# Altium PCB EDA-03518-V3-0_pcb.pcbdoc (part 1 of 14)
Units mm, origin at the board's own origin, x right, y up, seen from the top; angles counter-clockwise.
Board outline 220 x 230 mm, 8 copper layers (Top Layer, L2P, L3, L4P, L5P, L6, L7P, Bottom Layer), stack 2.18 mm thick; 1190 components, 1445 nets, 5955 pads, 2149 vias.
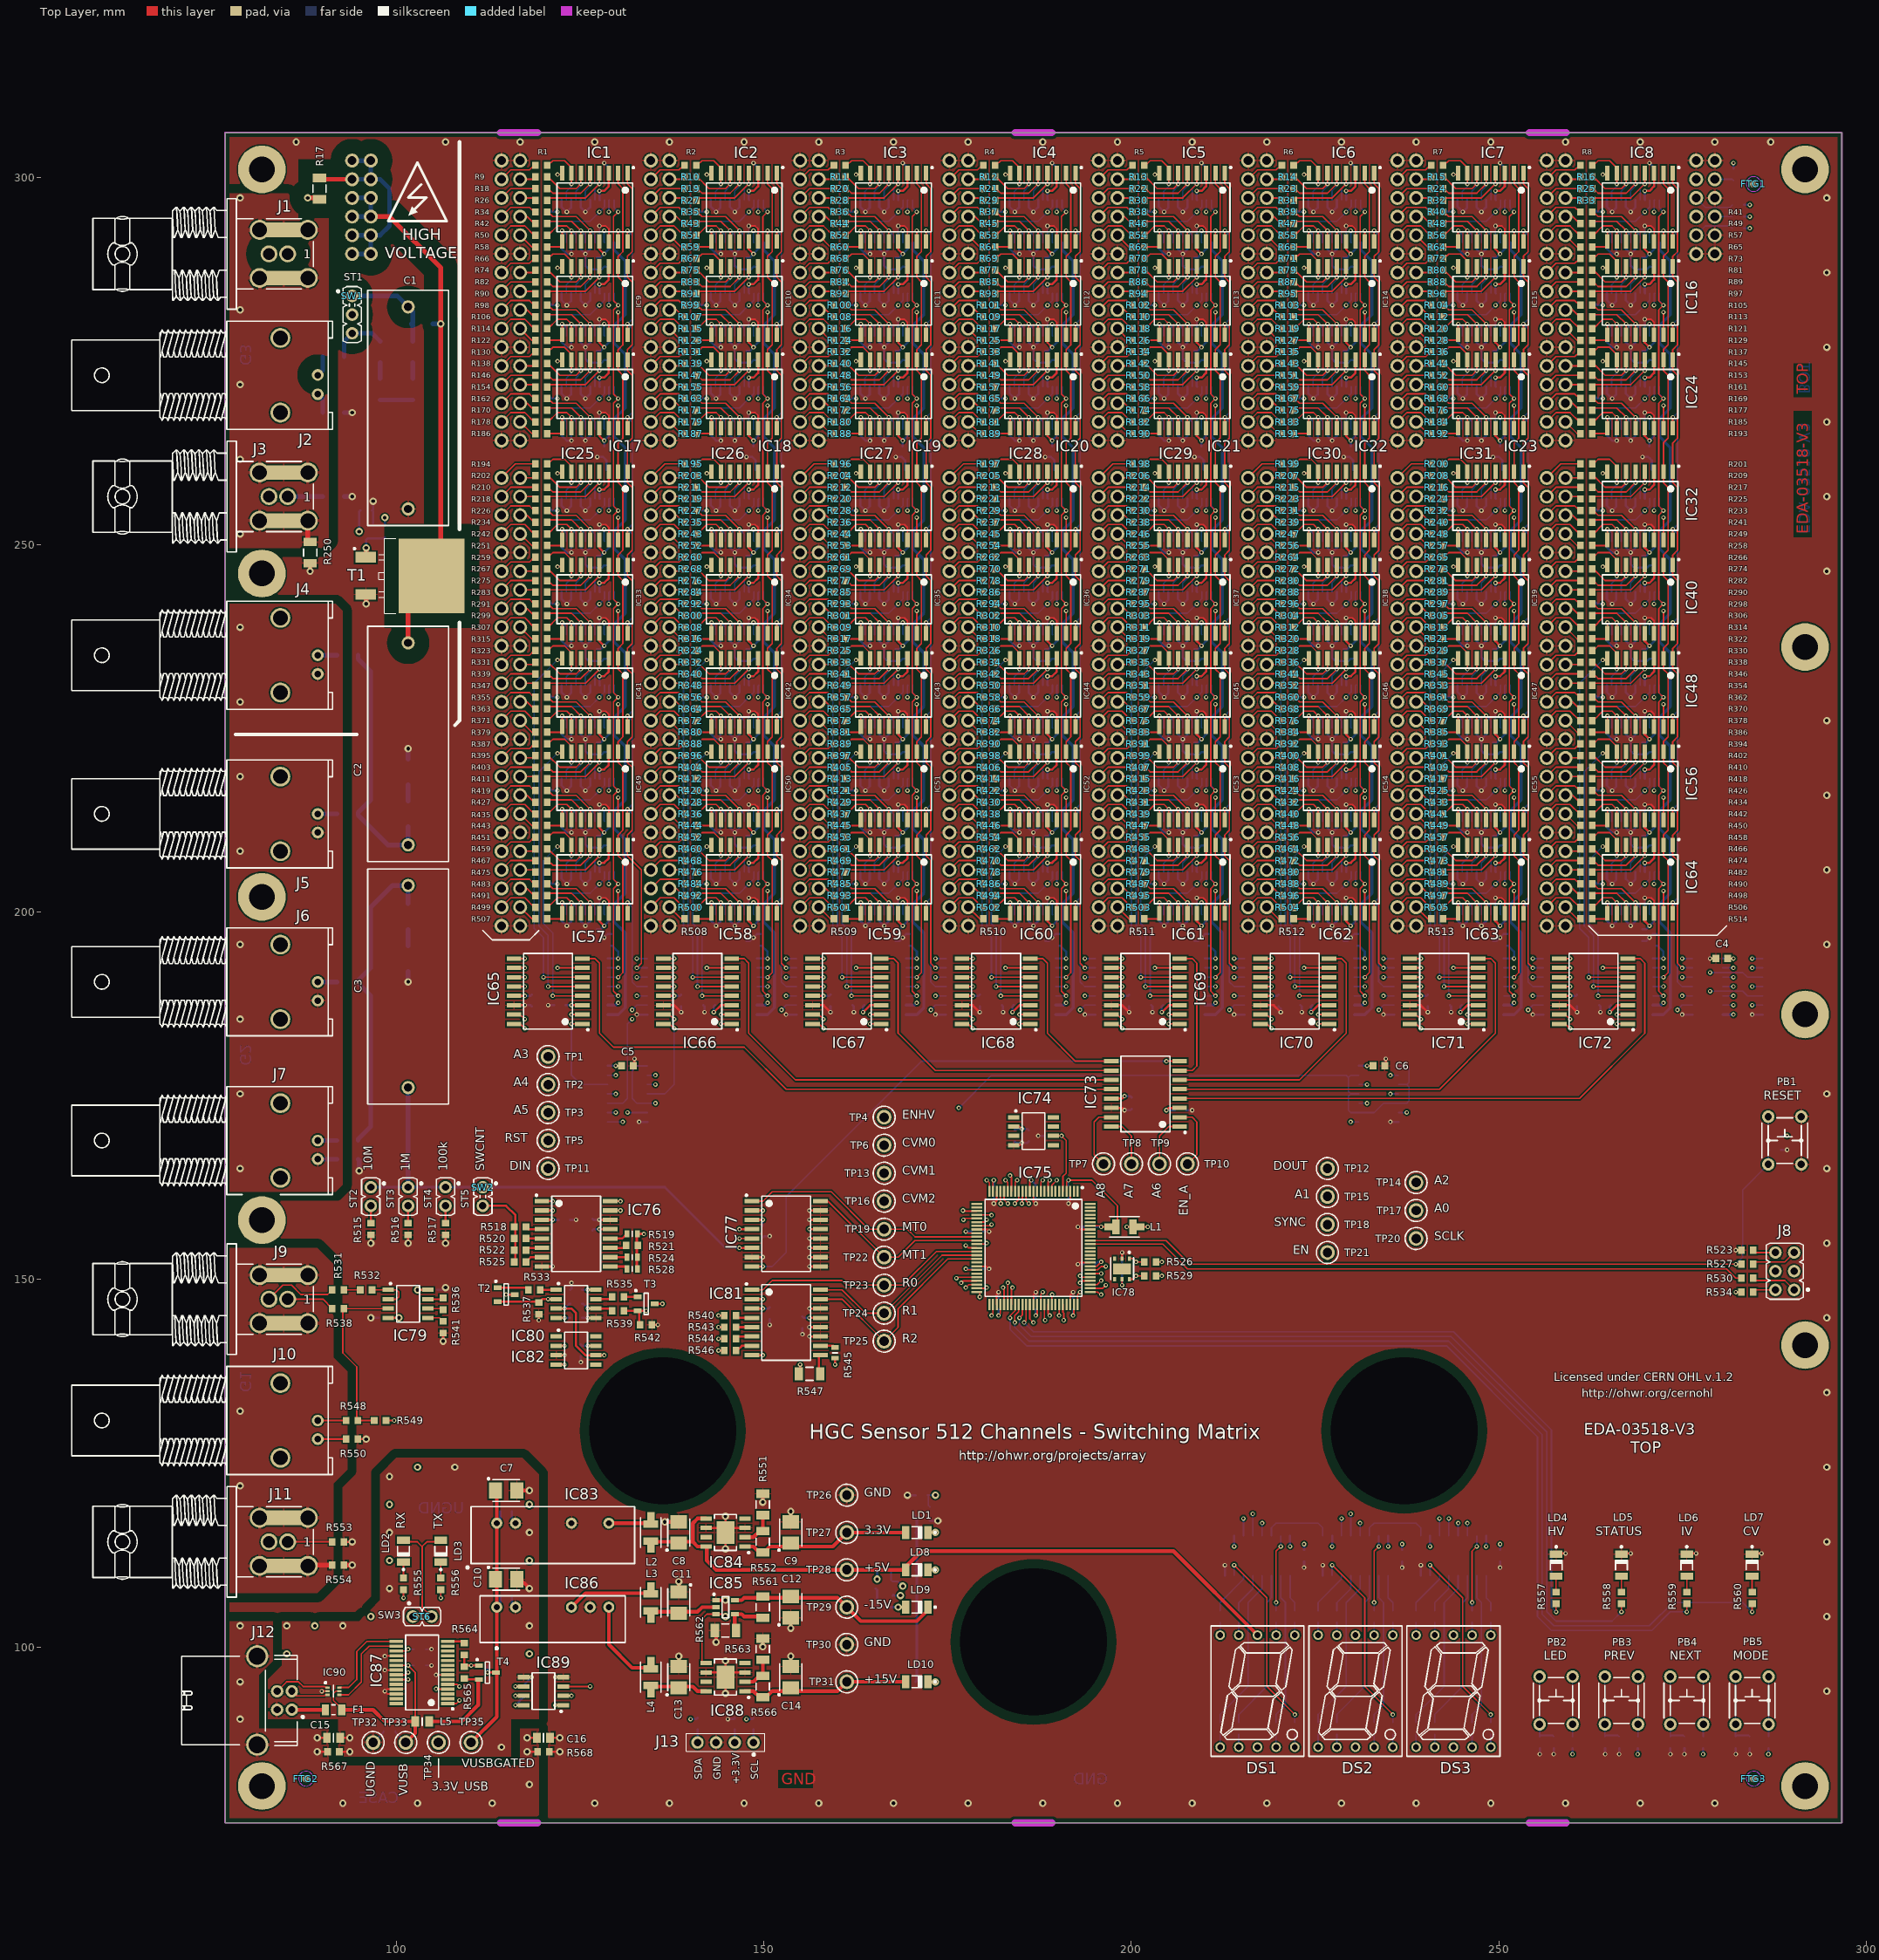
[diagram p0: Top Layer view]
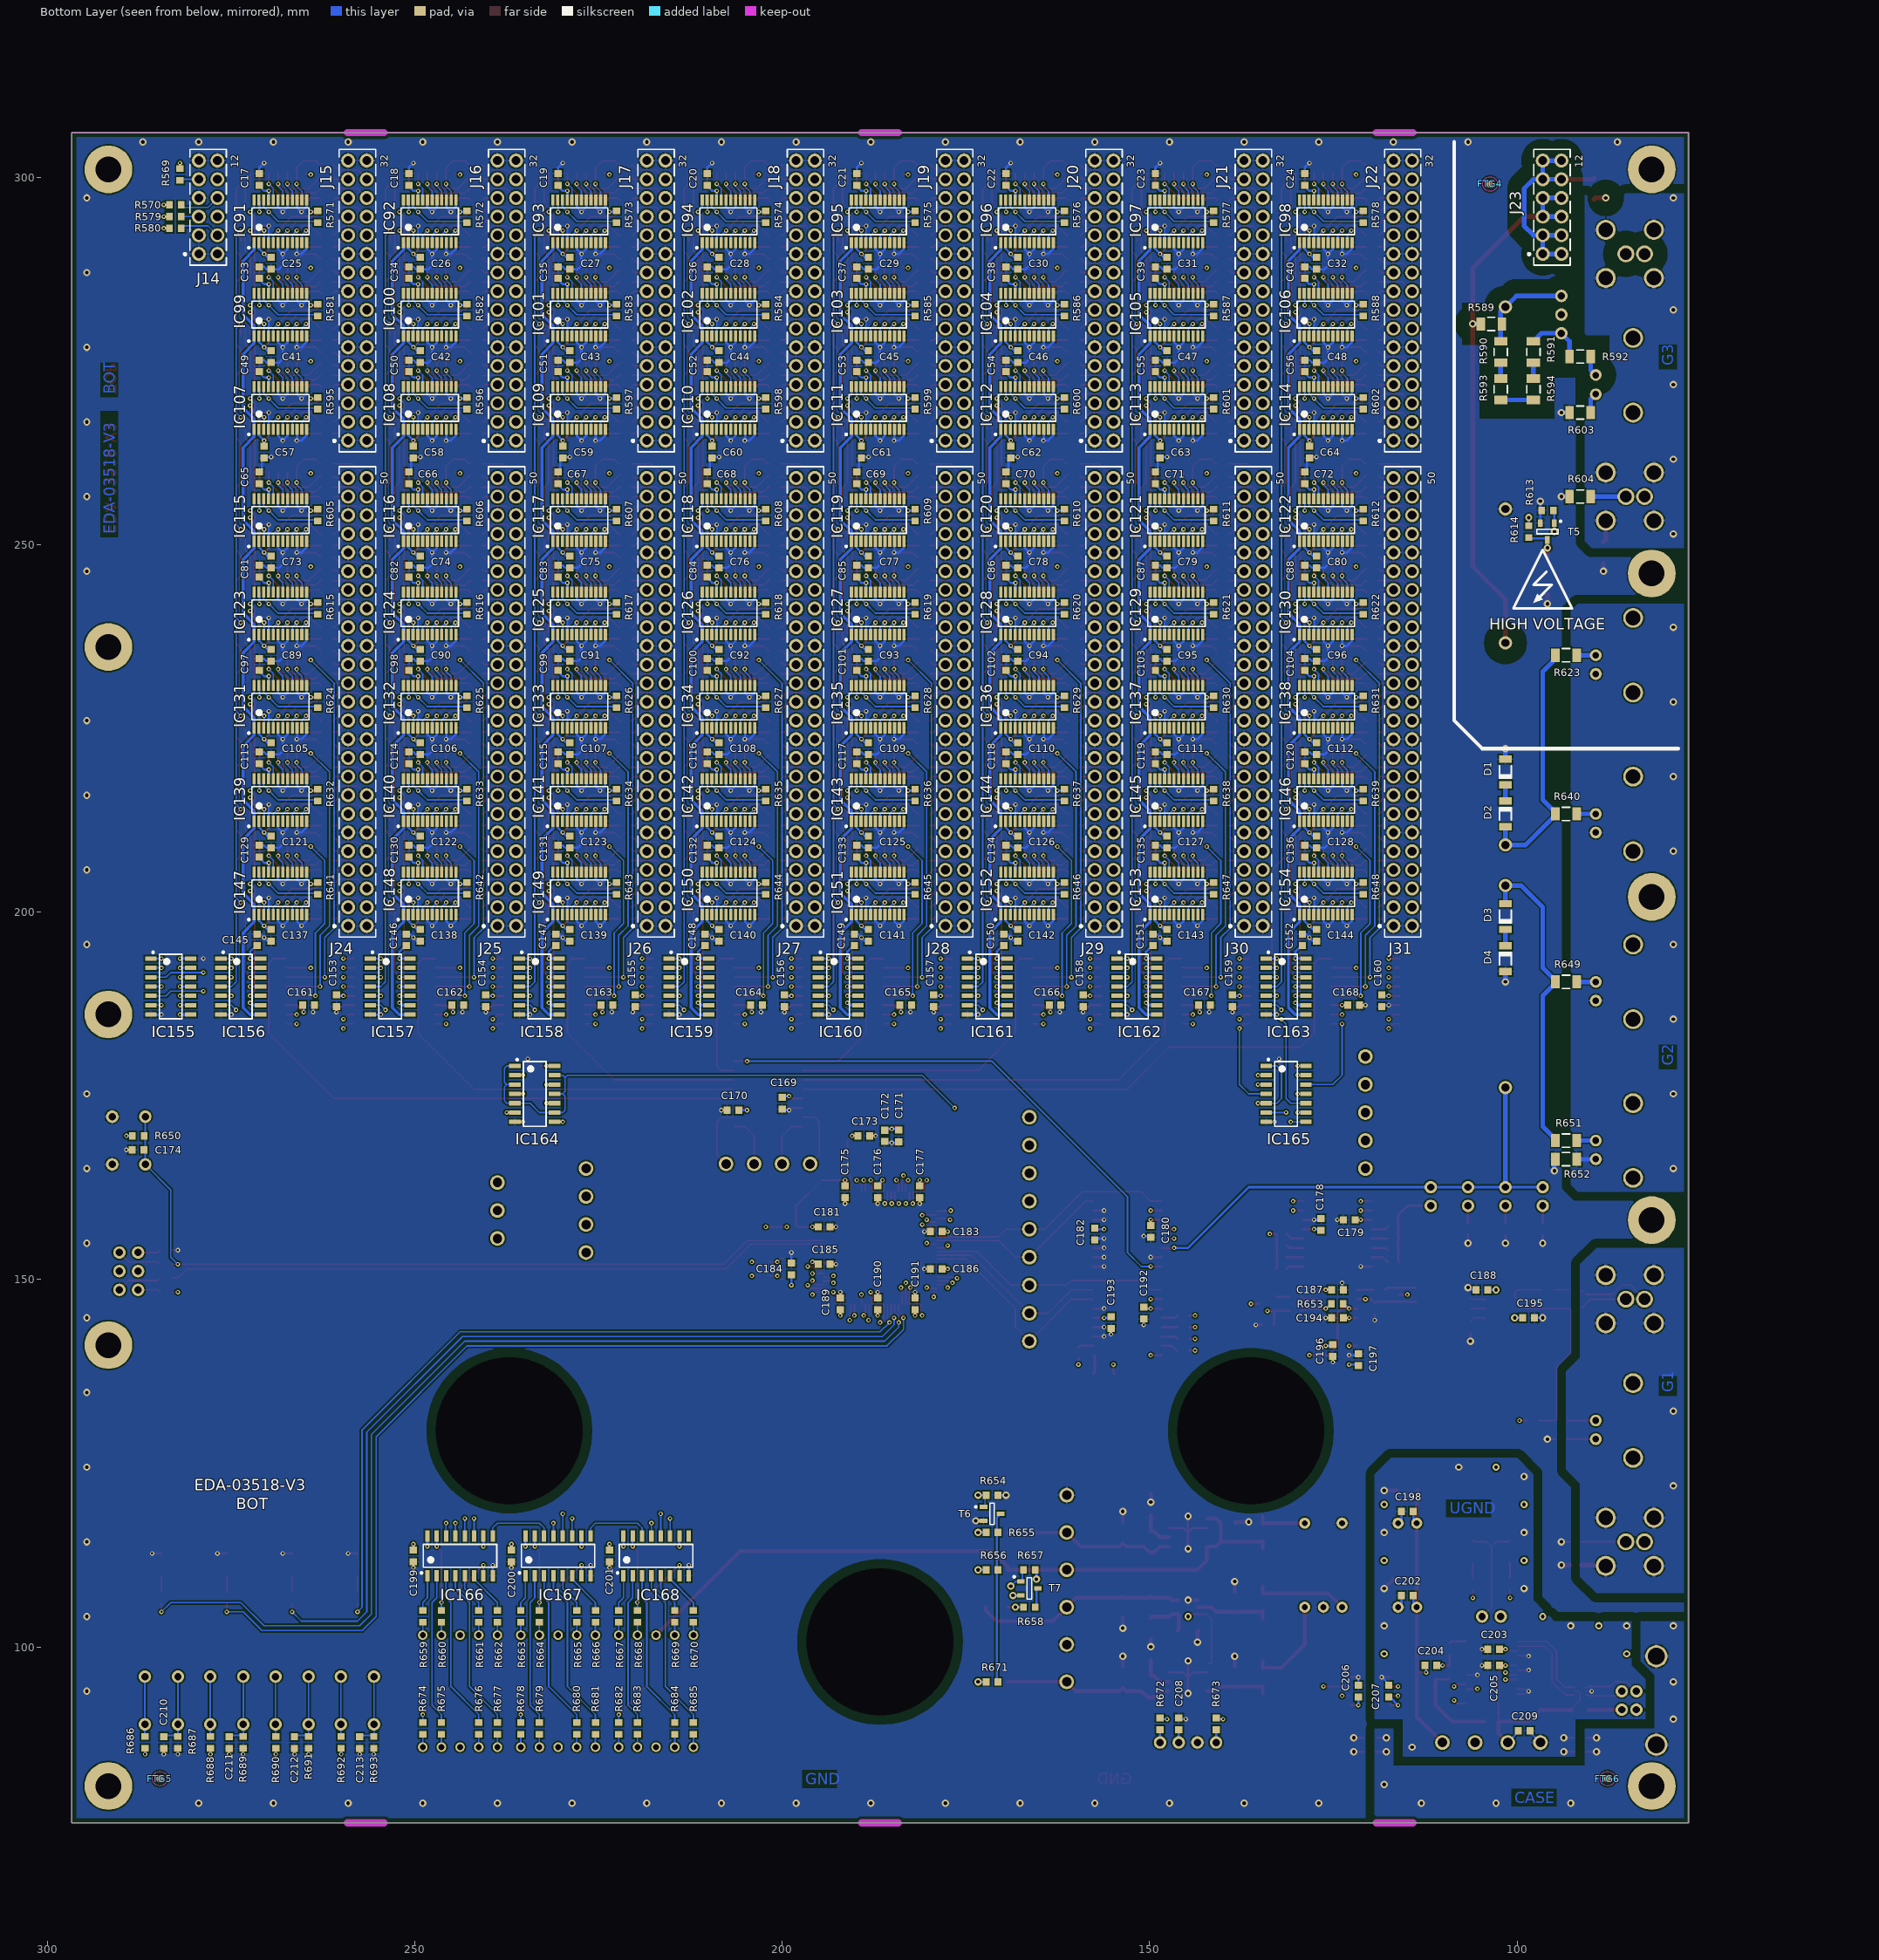
[diagram p1: Bottom Layer view, seen from below]
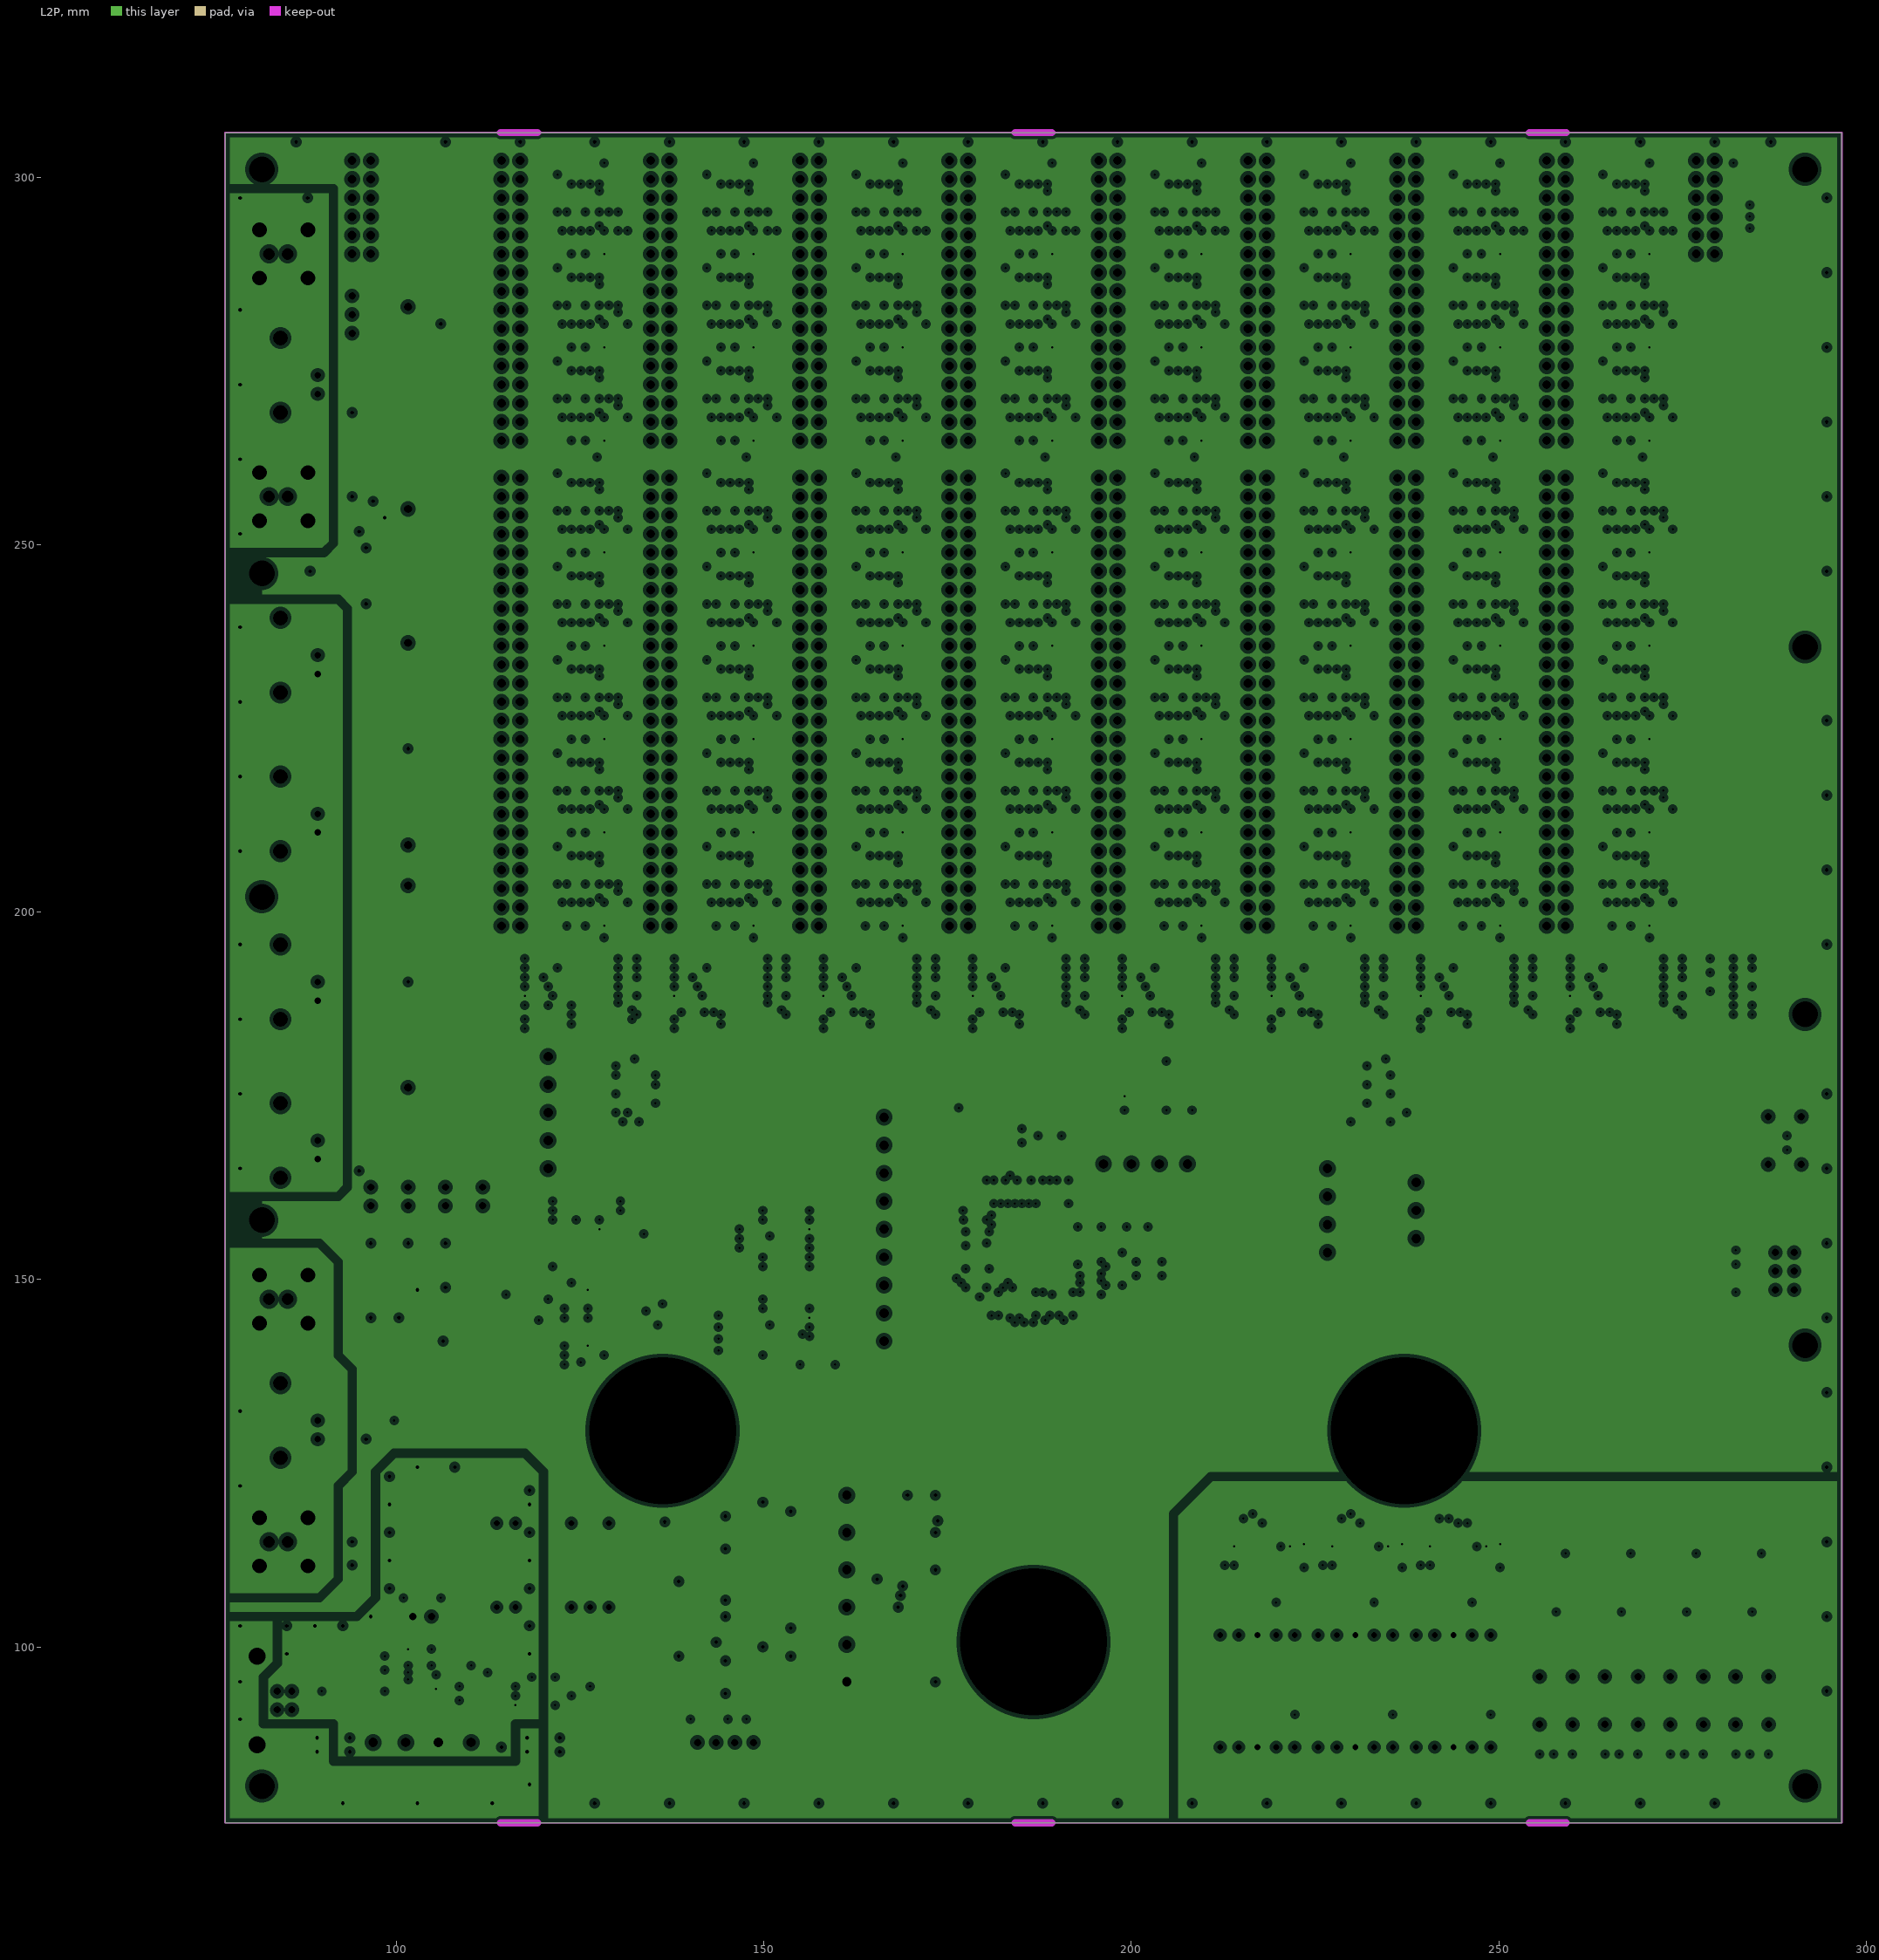
[diagram p2: L2P, clearances drawn from the general rule]
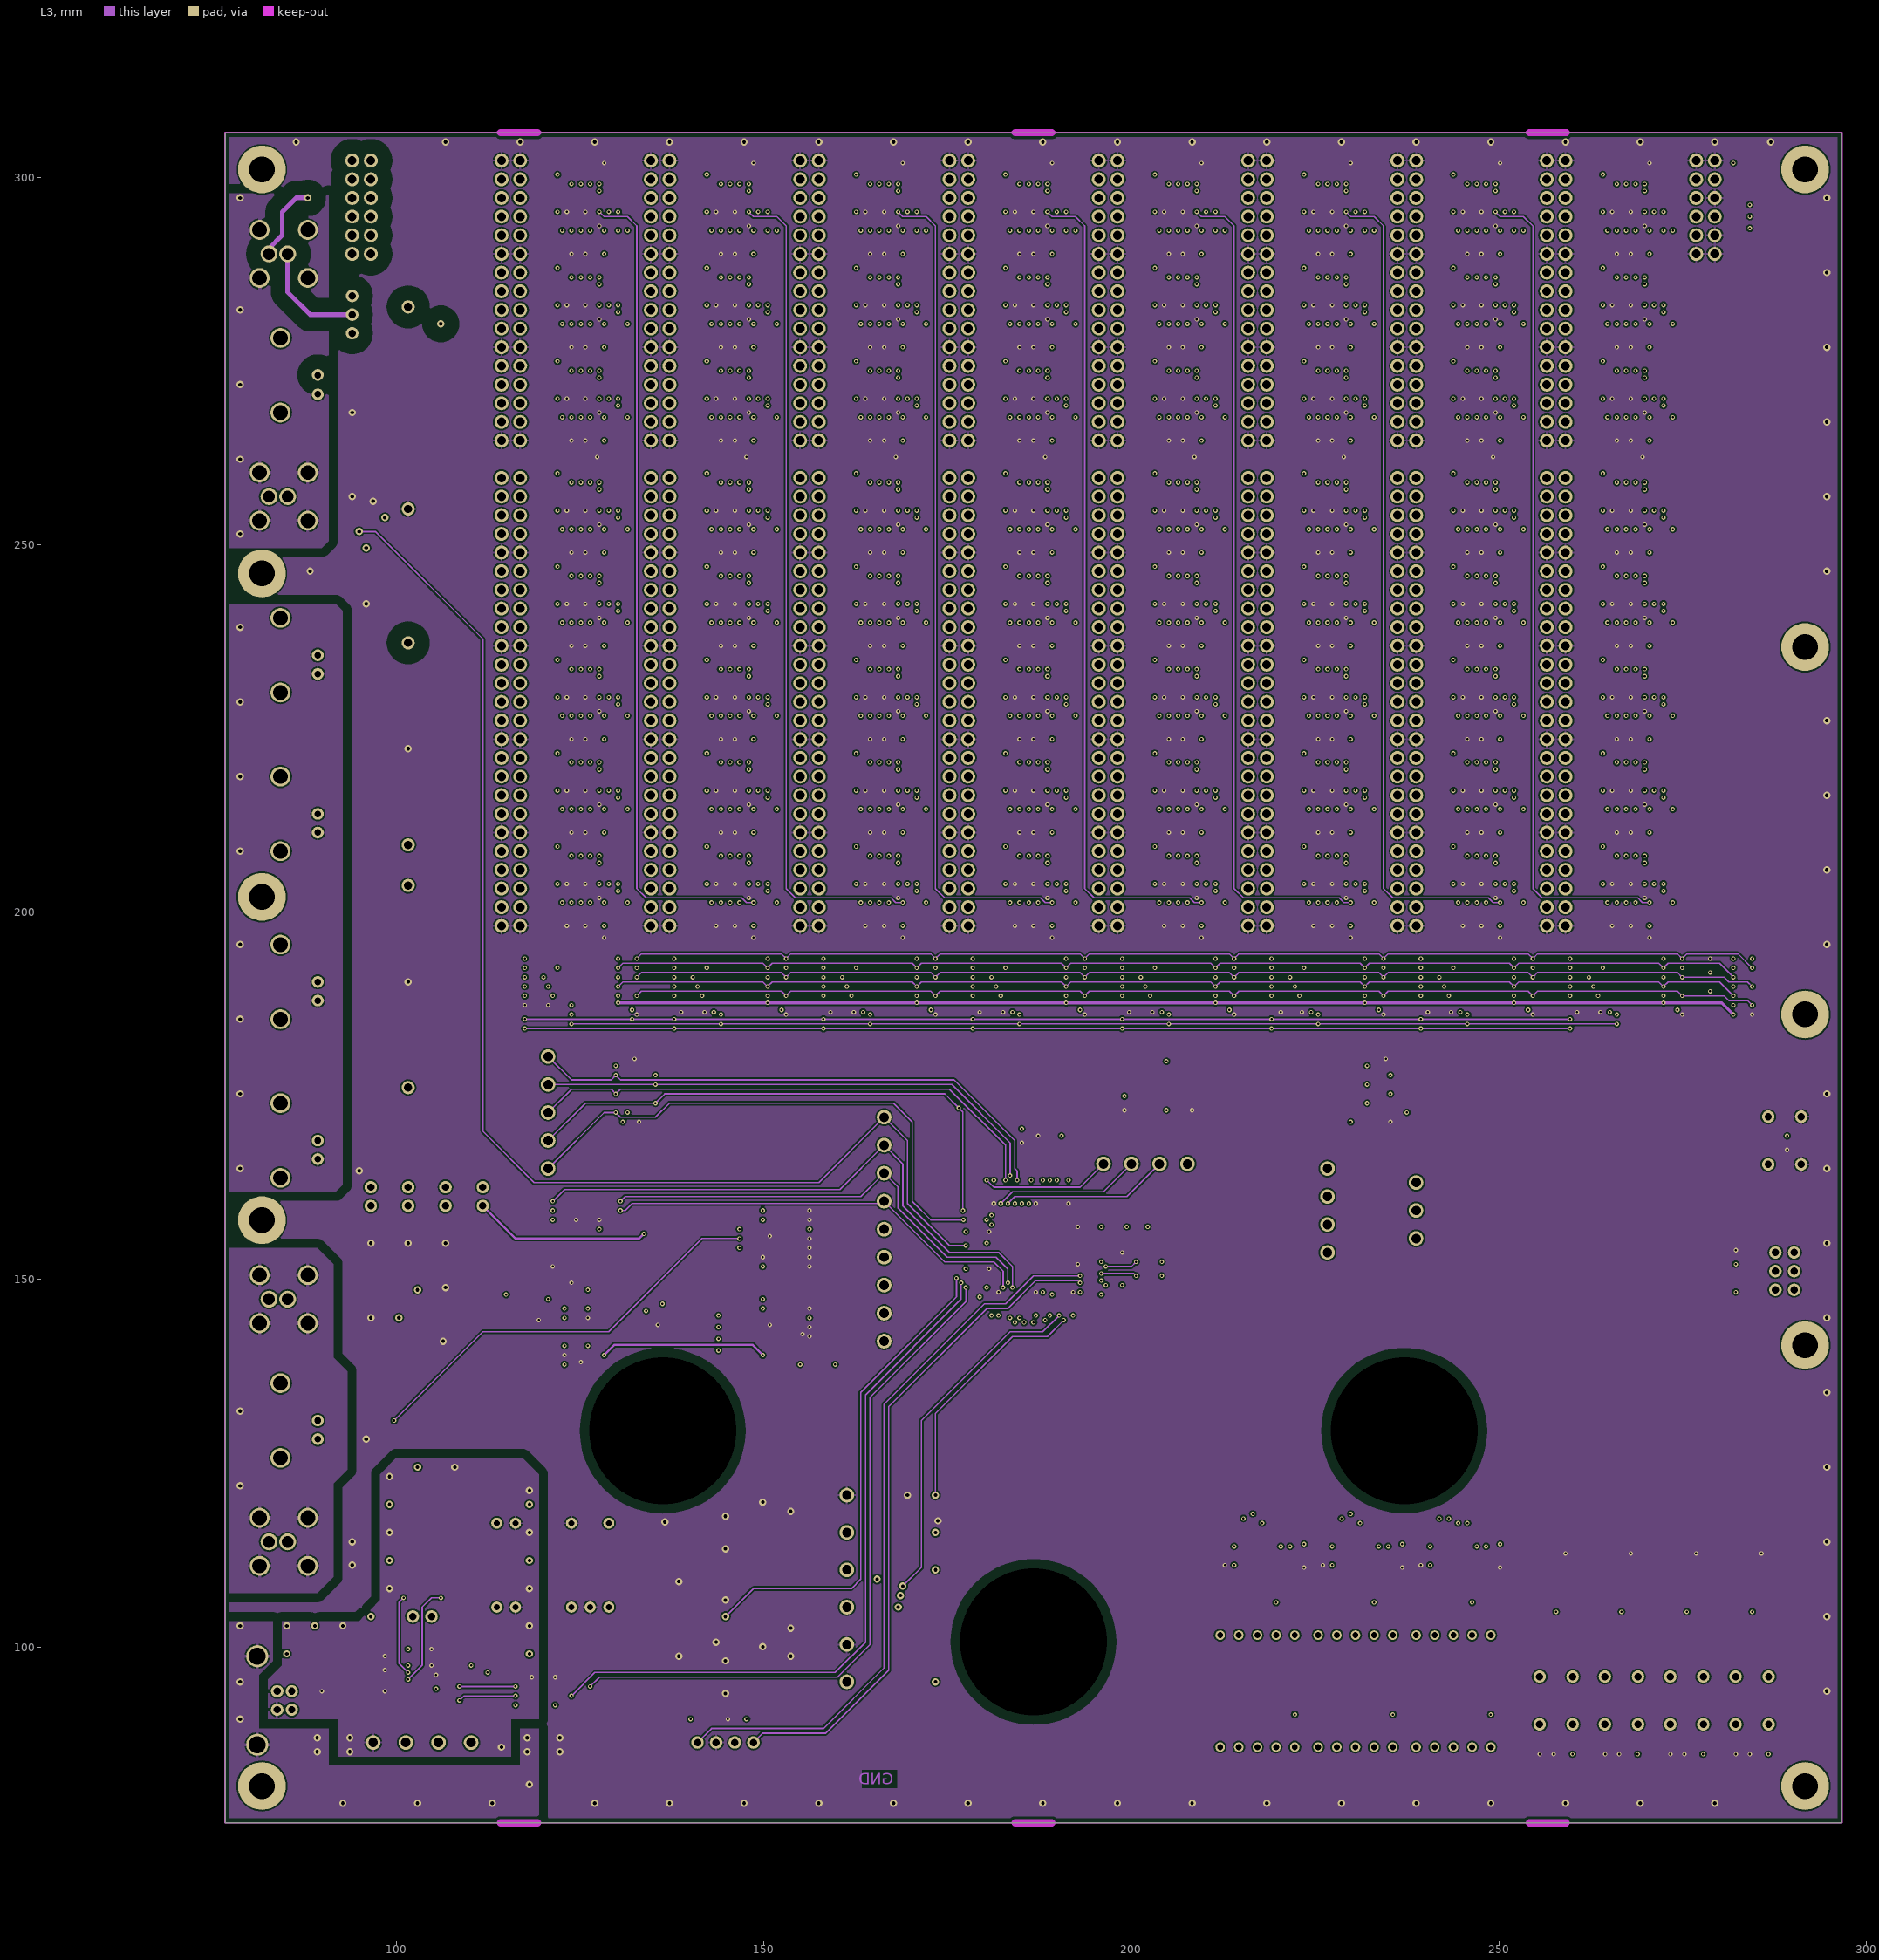
[diagram p3: L3]